# Altium PCB PCB1.PcbDoc
Units mil, origin at the board's own origin, x right, y up, seen from the top; angles counter-clockwise.
Board outline 3149.61 x 3937.01 mil, 2 copper layers (Top Layer, Bottom Layer); 80 components, 52 nets, 339 pads, 13 vias.
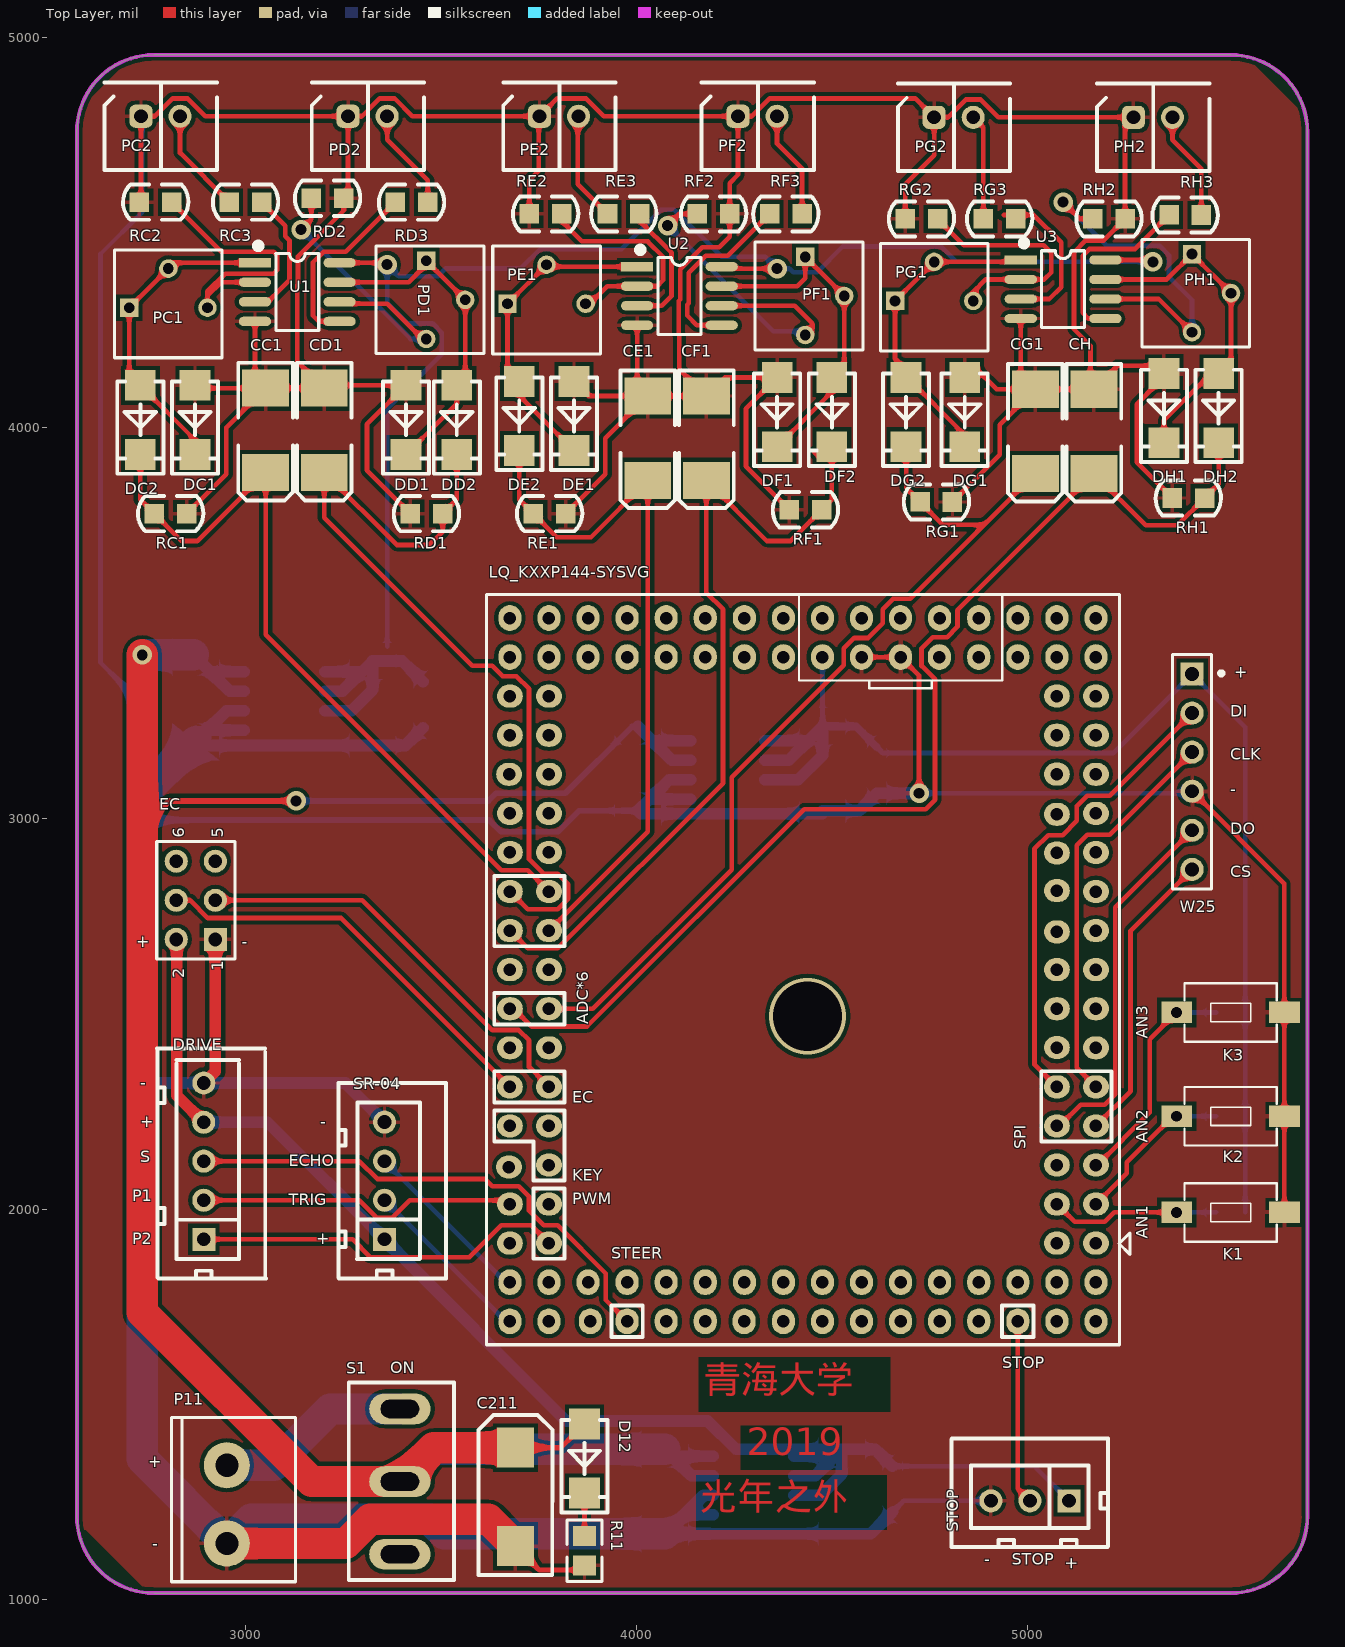
[diagram p0: Top Layer view]
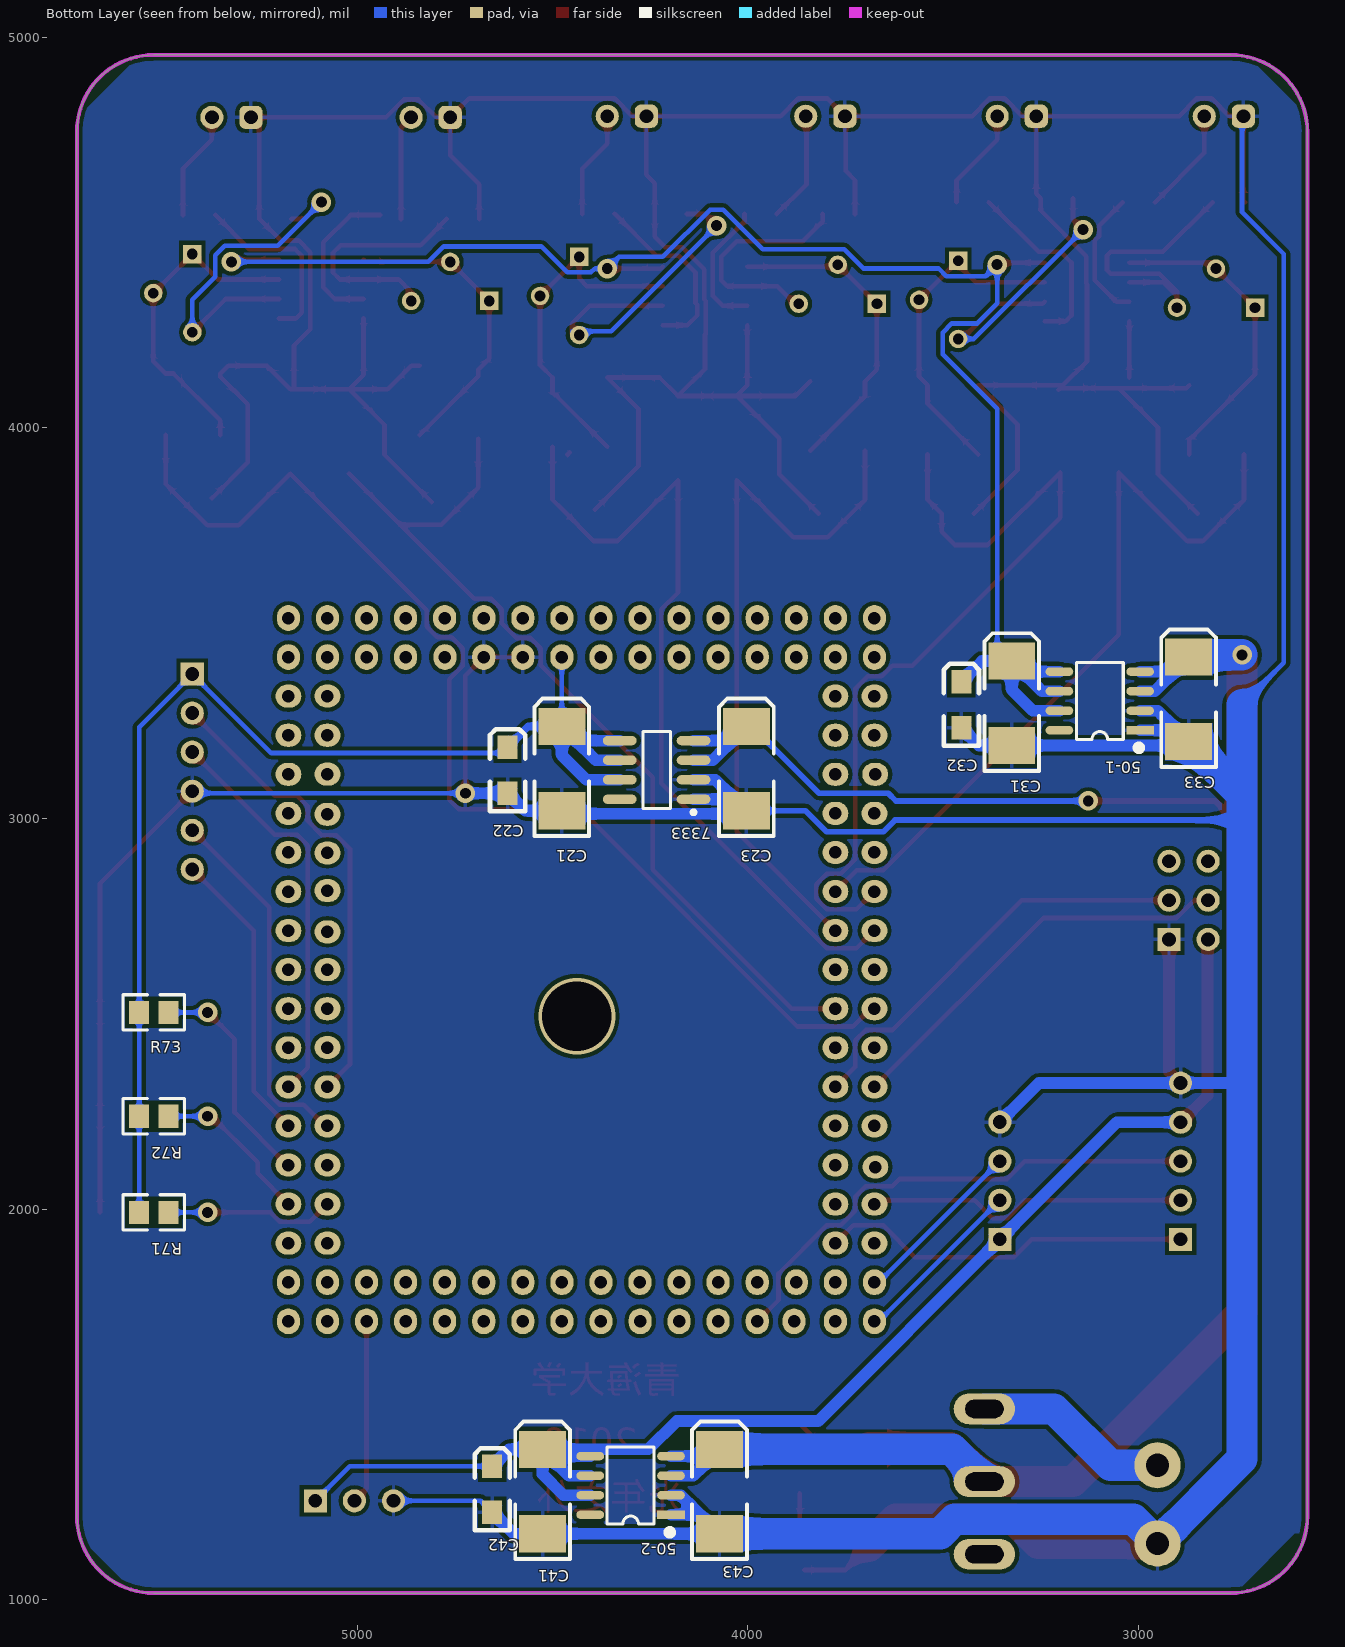
[diagram p1: Bottom Layer view, seen from below]
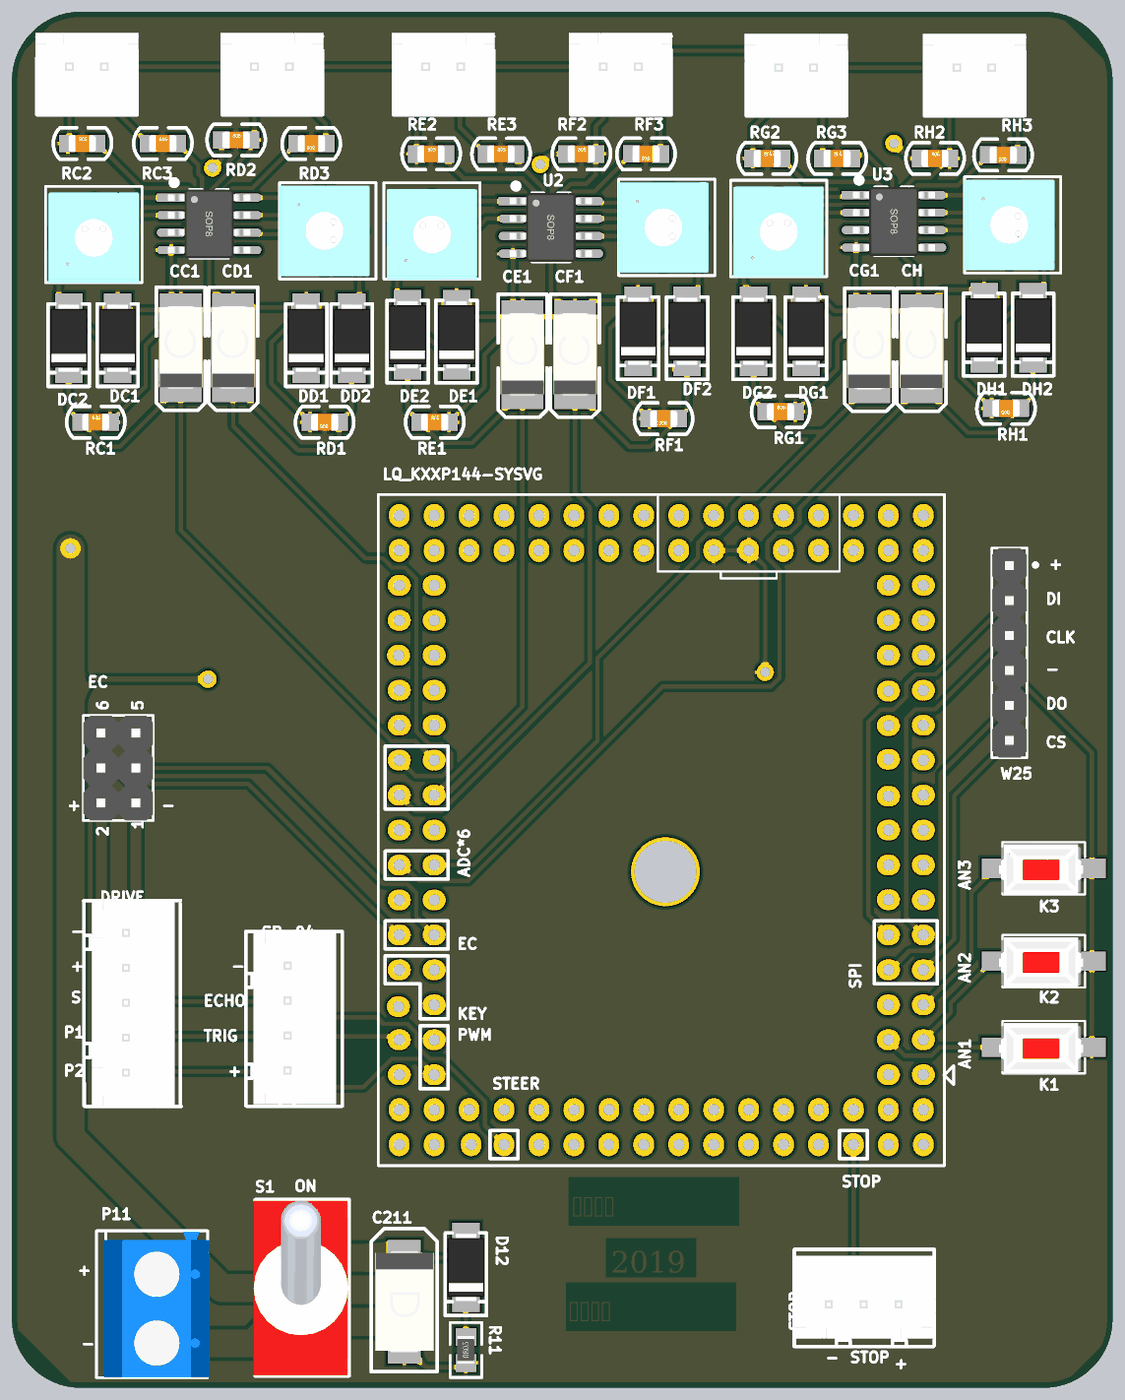
[diagram p2: 3D render of the assembled board from above, using the file's embedded part models]
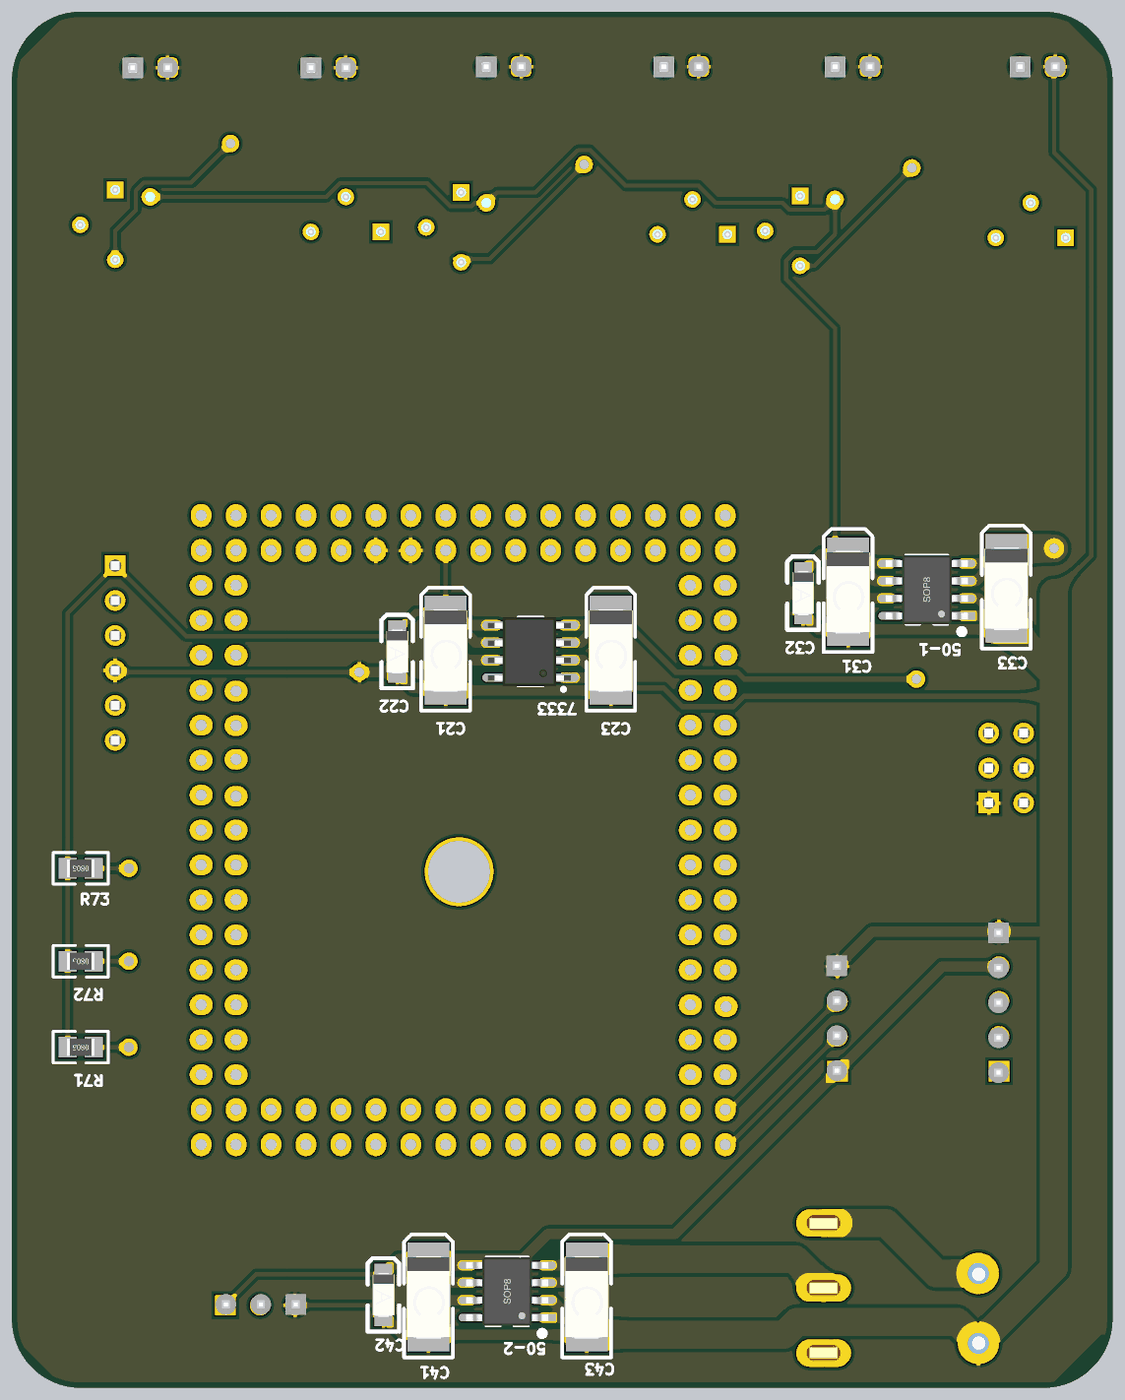
[diagram p3: 3D render of the assembled board from below, using the file's embedded part models]

## Layer stack, top to bottom
Top Solder: solder mask 0.4, Solder Resist, Dk 3.5
Top Layer: signal copper 1.4
Dielectric 1: dielectric 12.6, FR-4, Dk 4.8
Bottom Layer: signal copper 1.4
Bottom Solder: solder mask 0.4, Solder Resist, Dk 3.5

## Board outline
2567.68,1214.09 2567.68,4757.4 cw(c2764.53,4757.4) 2764.53,4954.25 5520.43,4954.25 cw(c5520.43,4757.4) 5717.28,4757.4 5717.28,1214.09 cw(c5520.43,1214.09) 5520.43,1017.24 2764.53,1017.24 cw(c2764.53,1214.09)

## Design rules (kind name [scope] priority, off if disabled: settings)
Clearance [All] p1: gap=10
HoleSize [All] p1: absolutevalues=TRUE maxlimit=350 minlimit=1 maxpercent=80.000 minpercent=20.000
MinimumSolderMaskSliver [All] p1 off: minsoldermaskwidth=10
PolygonConnect [All] p1: connectstyle=Relief reliefconductorwidth=10 reliefentries=4 polygonreliefangle="90 Angle" airgapwidth=10
RoutingVias [All] p1: holewidth=28 width=50 viastyle="Through Hole" minholewidth=28 minwidth=50 maxholewidth=28 maxwidth=50
SilkToBoardRegionClearance [All] p1 off:
SilkToSilkClearance [All] p1 off: silktosilkclearance=10
SilkToSolderMaskClearance [IsPad] p1 off: minsilkscreentomaskgap=10 clearancetoexposedcopper=TRUE
SolderMaskExpansion [All] p1: expansion=4
Width [All] p1: maxlimit=100 minlimit=8 preferedwidth=12
25 further rules are at their usual default settings.

## Components (designator, comment, footprint, x,y, rotation, side; value= is the part's Value field where it differs from the comment)
50-1 "7350" SOP8_N 3099.17,3300.71 r0 bottom locked
50-2 "7350" SOP8_N 4299.96,1292.83 r0 bottom locked
7333 "7333" SO8_N 4233.43,3124.06 r0 bottom locked
AN1 "Button" SMT4*6*2.5 5520.43,1991.65 r180 top locked
AN2 "Button" SMT4*6*2.5 5520.43,2237.72 r180 top locked
AN3 "Button" SMT4*6*2.5 5520.43,2503.46 r180 top locked
C21 "Cap Pol3" C6032 4477.13,3123.54 r270 bottom locked
C22 "Cap Pol3" C3216 4614.92,3123.54 r270 bottom locked
C23 "Cap Pol3" C6032 4004.69,3123.54 r270 bottom locked
C31 "Cap Pol3" C6032 3325.55,3290.87 r270 bottom locked
C32 "Cap Pol3" C3216 3453.5,3290.87 r270 bottom locked
C33 "Cap Pol3" C6032 2872.8,3300.71 r270 bottom locked
C41 "Cap Pol3" C6032 4526.34,1273.15 r270 bottom locked
C42 "Cap Pol3" C3216 4654.29,1282.99 r270 bottom locked
C43 "Cap Pol3" C6032 4073.58,1273.15 r270 bottom locked
C211 "Cap Pol3" C7343 3689.72,1263.31 r270 top locked
CC1 "Cap Pol3" C6032 3051.77,3997.24 r90 top
CD1 "Cap Pol3" C6032 3201.77,3997.24 r90 top
CE1 "Cap Pol3" C6032 4029.77,3977.24 r90 top
CF1 "Cap Pol3" C6032 4179.77,3977.24 r90 top
CG1 "Cap Pol3" C6032 5021.77,3994.45 r90 top
CH "Cap Pol3" C6032 5171.77,3994.45 r90 top
D12 "LED1" SMA 3866.89,1361.73 r270 top locked
DC1 "4148" SMA 2870,4020 r270 top
DC2 "4148" SMA 2730,4020 r270 top
DD1 "4148" SMA 3410,4020 r270 top
DD2 "4148" SMA 3540,4020 r270 top
DE1 "4148" SMA 3840,4030 r270 top
DE2 "4148" SMA 3700,4030 r270 top
DF1 "4148" SMA 4360,4040 r270 top
DF2 "4148" SMA 4500,4040 r270 top
DG1 "4148" SMA 4840,4040 r270 top
DG2 "4148" SMA 4690,4040 r270 top
DH1 "4148" SMA 5350,4050 r270 top
DH2 "4148" SMA 5490,4050 r270 top
DRIVE "Header 5" HX2.54-5 2892.48,1922.76 r90 top locked
EC "Header 3X2" HDR2X3 2922.01,2690.47 r90 top locked
LQ_KXXP144-SYSVG "LQ_KXXP144-SYSVG" LQ_KXXP144-SYSVG 5175.94,1912.91 r90 top locked
P11 "Header 2" 2PIN-5.08B 2951.54,1144.41 r90 top locked
PC1 "RPot" VR_B1 2801.77,4297.24 r0 top
PC2 "Header 2" HX2.54-2 2731.77,4797.24 r0 top
PD1 "RPot" VR_B1 3451.77,4327.24 r270 top
PD2 "Header 2" HX2.54-2 3261.77,4797.24 r0 top
PE1 "RPot" VR_B1 3769.77,4307.24 r0 top
PE2 "Header 2" HX2.54-2 3751.77,4797.24 r0 top
PF1 "RPot" VR_B1 4421.77,4337.24 r270 top
PF2 "Header 2" HX2.54-2 4259.77,4797.24 r0 top
PG1 "RPot" VR_B1 4761.77,4314.45 r0 top
PG2 "Header 2" HX2.54-2 4761.77,4794.45 r0 top
PH1 "RPot" VR_B1 5411.77,4344.45 r270 top
PH2 "Header 2" HX2.54-2 5271.77,4794.45 r0 top
R11 "Res3" R0805 3866.89,1125.51 r90 top locked
R71 "Res3" R0805 5520.43,1991.65 r0 bottom locked
R72 "Res3" R0805 5520.43,2237.72 r0 bottom locked
R73 "Res3" R0805 5520.43,2503.46 r0 bottom locked
RC1 "Res Semi" C0805 2760,3780 r0 top
RC2 "Res Semi" C0805 2721.77,4577.24 r0 top
RC3 "Res Semi" C0805 2951.77,4577.24 r0 top
RD1 "Res Semi" C0805 3510,3780 r180 top
RD2 "Res Semi" C0805 3161.77,4587.24 r0 top
RD3 "Res Semi" C0805 3471.77,4577.24 r180 top
RE1 "Res Semi" C0805 3730,3780 r0 top
RE2 "Res Semi" C0805 3719.77,4547.24 r0 top
RE3 "Res Semi" C0805 3919.77,4547.24 r0 top
RF1 "Res Semi" C0805 4480,3790 r180 top
RF2 "Res Semi" C0805 4149.77,4547.24 r0 top
RF3 "Res Semi" C0805 4429.77,4547.24 r180 top
RG1 "Res Semi" C0805 4720,3810 r0 top
RG2 "Res Semi" C0805 4681.77,4534.45 r0 top
RG3 "Res Semi" C0805 4881.77,4534.45 r0 top
RH1 "Res Semi" C0805 5460,3820 r180 top
RH2 "Res Semi" C0805 5161.77,4534.45 r0 top
RH3 "Res Semi" C0805 5451.77,4544.45 r180 top
S1 "SW-SPST" SW-TO3 3394.45,1302.68 r180 top locked
SR-04 "Header 4" HX2.54-4 3355.08,1922.76 r90 top locked
STOP "Header 3" HX2.54-3 5107.05,1253.46 r180 top locked
U1 "LM358" SOP8_M 3131.77,4347.24 r0 top
U2 "LM358" SOP8_M 4109.77,4337.24 r0 top
U3 "LM358" SOP8_M 5091.77,4354.45 r0 top
W25 "MHDR1X6" HDR1X6 5422.01,3369.61 r270 top locked

## Footprints (in the part's own frame and the unit in brackets; to place one, negate y for a bottom-side part, rotate by r counter-clockwise, add the part's x,y. Pads: shape width x height; smd on the part's side, far side on the other; paste and mask are expansions set on the pad)
2PIN-5.08B [mm] "3A"
  round 3 hole 1.5: 1(0,0) 2(5.08,0)
  silkscreen extent -2.49,-4.47 8.18,3.61, body extent -2.48,-4.58 8.12,3.02, height 10
C0805 [mil]
  rect 50x50 smd: 1(6,0) 2(88.7,-0.1)
  silkscreen extent -36,-45 131,45, body extent 8,-24 87,25, height 30
C3216 [mil] "A型/1206"
  rect 60x51.18 smd: 1(-59,0) 2(59,0)
  silkscreen extent -105,-45 105,45, body extent -63,-31 63,32, height 63
C6032 [mil] "C型"
  rect 95x120 smd: 1(-112,1) 2(104,1)
  silkscreen extent -183,-69 169,71, body extent -121,-62 115,64, height 102
C7343 [mm] "D型"
  rect 2.6x2.4 smd: 1(-3.202,0.007) 2(3.198,0.007)
  silkscreen extent -5.32,-2.39 5.08,2.41, body extent -3.65,-2.12 3.65,2.18, height 2.9
HDR1X6 [mm] "Connector; Header; 6 Position"
  rect 1.5x1.5 hole 0.9: 1(0,0)
  round 1.5 hole 0.9: 2(2.54,0) 3(5.08,0) 4(7.62,0) 5(10.16,0) 6(12.7,0)
  silkscreen extent -1.27,-1.27 13.97,2.04, body extent -1.27,-1.27 13.97,1.27, height 8.54
HDR2X3 [mm] "Connector; Header; 3x2 Position"
  rect 1.5x1.5 hole 0.9: 1(0,0)
  round 1.5 hole 0.9: 2(0,2.54) 3(2.54,0) 4(2.54,2.54) 5(5.08,0) 6(5.08,2.54)
  silkscreen extent -1.27,-1.27 6.35,3.81, body extent -1.27,-1.27 6.35,3.81, height 8.54
HX2.54-2 [mm] "两针白色插座（已加焊）"
  rrect50% 1.5x1.5 hole 0.9: 1(0,0)
  round 1.5 hole 0.9: 2(2.54,0)
  silkscreen extent -2.36,-3.5 4.94,2.2, body extent -2.48,-3.55 5.02,2.45, height 7
HX2.54-3 [mm]
  rect 1.5x1.5 hole 0.9: 1(0,0)
  round 1.5 hole 0.9: 2(2.54,0) 3(5.08,0)
  silkscreen extent -2.54,-4.06 7.63,3, body extent -2.41,-3.58 7.59,2.42, height 7
HX2.54-4 [mm]
  rect 1.5x1.5 hole 0.9: 1(0,0)
  round 1.5 hole 0.9: 2(2.54,0) 3(5.08,0) 4(7.62,0)
  silkscreen extent -2.54,-4 10.16,3, body extent -2.4,-3.56 10.12,2.44, height 7
HX2.54-5 [mm]
  rect 1.5x1.5 hole 0.9: 1(0,0)
  round 1.5 hole 0.9: 2(2.54,0) 3(5.08,0) 4(7.607,0.006) 5(10.16,0)
  silkscreen extent -2.55,-4.06 12.42,3.05, body extent -2.56,-3.56 12.52,2.44, height 7.51
LQ_KXXP144-SYSVG [mil]
  oval 59x66 hole 32: 1(0,0) 2(0,100) 3(100,0) 4(100,100) 5(200,0) 6(200,100) 7(300,0) 8(300,100) 9(400,0) 10(400,100) 11(500,0) 12(500.79,100) 13(600,0) 14(600,100) 15(700,0) 16(700,100) 17(800,0) 18(796.85,100) 19(900,0) 20(902.36,100) 21(1000,0) 22(998.82,100) 23(1100,0) 24(1097.64,100) 25(1200,0) 26(1200.39,100) 27(1300,0) 28(1300,100) 29(1400,0) 30(1400.39,100) 63(1400,1500) 64(1400,1400) 65(1300,1500) 66(1300,1400) 67(1200,1501.97) 68(1200,1400) 69(1100,1500) 70(1100,1400) 71(1000,1500) 72(1000,1400) 73(900,1500) 74(900,1400) 75(800,1500) 76(800,1400) 77(700,1500) 78(700,1400) 79(600,1500) 80(600,1400) 81(500,1500) 82(500,1400) 83(400,1500) 84(400,1400) 85(300,1500) 86(300,1400) 87(194.88,1502.36) 88(200,1400) 89(100,1500) 90(100,1400) 91(0,1500) 92(0,1400)
  oval 66x59 hole 32: 31(1500,0) 32(1600,0) 33(1500,100) 34(1600,100) 35(1500,200) 36(1600,200) 37(1500,300) 38(1600,300) 39(1500,400.79) 40(1600,400) 41(1500,500) 42(1600,500.39) 43(1500,600) 44(1600,600) 45(1500,700) 46(1600,700) 47(1500,800) 48(1600,800) 49(1500,900) 50(1600,900) 51(1500,1000) 52(1600,1000) 53(1500,1100) 54(1600,1100) 55(1500,1200) 56(1600,1200) 57(1500,1300) 58(1600,1300) 59(1500,1400) 60(1600,1400) 61(1500,1500) 62(1600,1500) 93(-100,1500) 94(-200,1500) 95(-100,1400) 96(-200,1400) 97(-100,1300) 98(-200,1294.09) 99(-100,1200) 100(-200,1200) 101(-100,1100) 102(-200,1100) 103(-100,1000) 104(-200,1000) 105(-100,899.61) 106(-200,900.39) 107(-100,800) 108(-200,800) 109(-100,700) 110(-200,700) 111(-100,600) 112(-200,600) 113(-100,500) 114(-200,500) 115(-100,400) 116(-200,400) 117(-100,300) 118(-200,300) 119(-100,200) 120(-200,200) 121(-100,100) 122(-200,100) 123(-100,0) 124(-200,0)
  silkscreen extent -260,-87 1660,1560
R0805 [mm]
  rect 1.3x1.5 smd: 1(-0.95,0) 2(0.95,0)
  silkscreen extent -2,-1.15 2,1.15, body extent -1,-0.63 1,0.63, height 0.55
SMA [mm]
  rect 2x2 smd: 1(-2.25,0) 2(2.25,0)
  silkscreen extent -2.5,-1.5 3.5,1.5, body extent -2.5,-1.35 2.5,1.35, height 2.15
SMT4*6*2.5 [mm]
  rect 2x1.4 smd: 1(-3.5,0) 2(3.5,0)
  silkscreen extent -3,-1.9 3,1.9, body extent -2.85,-1.75 3.25,1.95, height 2.5
SO8_N [mm] "SOIC, 8-Leads, Body 4.9x3.9mm, Pitch 1.27mm, IPC Medium Density"
  oval 2.2x0.6 smd: 1(-2.4,1.905) 2(-2.4,0.635) 3(-2.4,-0.635) 4(-2.4,-1.905) 5(2.4,-1.905) 6(2.4,-0.635) 7(2.4,0.635) 8(2.4,1.905)
  silkscreen extent -2.52,-2.5 0.9,2.88, body extent -2.94,-2.48 3.1,2.54, height 1.6
SOP8_M [mm] "5*6*1.8mm（长宽高）"
  rect 2.1x0.6 smd: 1(-2.75,1.905)
  oval 2.1x0.6 smd: 2(-2.75,0.635) 3(-2.75,-0.635) 4(-2.75,-1.905) 5(2.75,-1.905) 6(2.75,-0.635) 7(2.75,0.635) 8(2.75,1.905)
  silkscreen extent -2.69,-2.5 1.4,3.15, body extent -3,-2.5 3,2.5, height 1.9
SOP8_N [mm] "5*6*1.8mm（长宽高）"
  rect 1.8x0.55 smd: 1(-2.625,1.905)
  oval 1.8x0.55 smd: 2(-2.625,0.635) 3(-2.625,-0.635) 4(-2.625,-1.905) 5(2.625,-1.905) 6(2.625,-0.635) 7(2.625,0.635) 8(2.625,1.905)
  silkscreen extent -2.69,-2.5 1.52,3.2, body extent -3,-2.5 3,2.5, height 1.9
SW-TO3 [mm]
  oval 4x2 hole 1.2 slot 2.5 at 0 deg: 1(0,-4.724) 2(0,0) 3(0,4.724)
  silkscreen extent -3.5,-6.43 3.33,6.39, body extent -3.43,-6.36 3.43,6.35, height 28.55
VR_B1 [mm] "Potentiometer; 3 Leads"
  rect 1.2x1.2 hole 0.7: 1(-2.54,0.254)
  round 1.2 hole 0.7: 2(0,2.794) 3(2.54,0.254)
  silkscreen extent -3.5,-3 3.5,4, body extent -3.3,-3.05 3.3,3.55, height 4.4

## Part data
C21 C22 C23 C31 C32 C33 C41 C42 C43 C211 CC1 CD1 CE1 CF1 CG1 CH: "Polarized Capacitor (Surface Mount)"
D12: library part LED3, "Typical BLUE SiC LED"
DC1 DC2 DD1 DD2 DE1 DE2 DF1 DF2 DG1 DG2 DH1 DH2: library part Diode, "Default Diode"
DRIVE: "Header, 5-Pin"
EC: "Header, 3-Pin, Dual row"
P11 PC2 PD2 PE2 PF2 PG2 PH2: "Header, 2-Pin"
PC1 PD1 PE1 PF1 PG1 PH1: "精密可调电阻"
R11 R71 R72 R73: "Resistor"
RC1 RC2 RC3 RD1 RD2 RD3 RE1 RE2 RE3 RF1 RF2 RF3 RG1 RG2 RG3 RH1 RH2 RH3: "Semiconductor Resistor"
S1: "Single-Pole, Single-Throw Switch"
SR-04: "Header, 4-Pin"
STOP: "Header, 3-Pin"
W25: "Header, 6-Pin"

## Via types
v1: diameter 50, hole 28, Top Layer to Bottom Layer, 12 vias
v2: diameter 196.85, hole 177.17, Top Layer to Bottom Layer, 1 vias

## Nets (pads, with @x,y where several pads share a name; then routed paths per layer and width w, separated by ;. In a path a pad name is that pad's centre, name@x,y a point inside that pad or via, vN(x,y) a via of type N, cw(c..) or ccw(c..) an arc to the next point about the centre after c; other vN are vias at no path point)
5V: 50-2.5 50-2.6 50-2.7 C41.1 C42.1 DRIVE.4 EC.2 SR-04.1 STOP.1 | length 3576
  Top Layer w30: EC.2 2823.58,2688.9 2823.58,2290.92 DRIVE.4
  Bottom Layer w12: C42.1 5018.52,1341.99 STOP.1
  Bottom Layer w30: DRIVE.4 3055.58,2222.26 SR-04.1 3820.19,1457.65 4182.07,1457.65 4254.57,1385.15 C41.1 ; 50-2.7 4471.81,1267.83 4525.34,1321.36 C41.1 ; 50-2.6 4458.02,1317.83 C41.1@4508.02,1367.83 ; 50-2.5 C41.1@4508.02,1367.83 ; C42.1 4611.13,1385.15 C41.1 ; C41.1@4508.02,1367.83 C41.1
ADC1_SE10: CC1.1 DC2.2 LQ_KXXP144-SYSVG.74 RC1.1 | length 1965.1
  Top Layer w12: DC2.2 2730,3816 RC1.1 2836,3710 2875.53,3710 CC1.1 3050.77,3470.24 3653.6,2867.41 3721.45,2867.41 LQ_KXXP144-SYSVG.74
ADC1_SE11: CD1.1 DD2.2 LQ_KXXP144-SYSVG.73 RD1.1 | length 2206.7
  Top Layer w12: DD2.2 3540,3816 RD1.1 3504,3734 3470,3700 3386.02,3700 CD1.1 3200.77,3769.23 3579.43,3390.57 3630.45,3390.57 3657.1,3363.91 3692.79,3363.91 3724.95,3331.76 3724.95,2896.07 3762.6,2858.41 3798.29,2858.41 3824.95,2831.76 3824.95,2794.07 3798.29,2767.41 3721.94,2767.41 3676.44,2812.91 LQ_KXXP144-SYSVG.73
ADC1_SE12: CE1.1 DE2.2 LQ_KXXP144-SYSVG.76 RE1.1 | length 1811.2
  Top Layer w12: DE2.2 3700,3816 RE1.1 3796,3720 3883.53,3720 CE1.1 4028.77,2965.74 LQ_KXXP144-SYSVG.76
ADC1_SE13: CF1.1 DF2.2 LQ_KXXP144-SYSVG.75 RF1.1 | length 2105.3
  Top Layer w12: LQ_KXXP144-SYSVG.75 3676.44,2712.91 3721.94,2667.41 3798.29,2667.41 4221.45,3090.57 4221.45,3535.26 4178.77,3577.93 CF1.1 4334.02,3710 4394,3710 RF1.1 4500,3816 DF2.2 ; 4455.77,3937.24 DF2.2@4461.77,3931.24
ADC1_SE14: CG1.1 DG2.2 LQ_KXXP144-SYSVG.80 RG1.1 | length 2361.4
  Top Layer w12: LQ_KXXP144-SYSVG.80 3887.44,2512.91 4243.45,2868.92 4243.45,3105.12 4530.45,3392.12 4530.45,3435.26 4557.1,3461.91 4592.79,3461.91 4630.05,3499.17 4630.05,3535.26 4656.7,3561.91 4700.24,3561.91 4890,3751.68 ; DG2.2@4690,3971.42 4690,3846 RG1.1 4784.32,3751.68 4890,3751.68 ; CG1.1 4890,3751.68
ADC1_SE15: CH.1 DH2.2 LQ_KXXP144-SYSVG.79 RH1.1 | length 2944.3
  Top Layer w12: LQ_KXXP144-SYSVG.79 3686.1,2512.91 3731.77,2467.24 3731.94,2467.41 3873.05,2467.41 4429.13,3023.49 4740.17,3023.49 4764.19,3047.51 4764.19,3355.78 4729.66,3390.31 4729.66,3435.26 4758.31,3463.91 4794.79,3463.91 4821.45,3490.57 4821.45,3533.12 CH.1 5303.22,3750 5384,3750 RH1.1 5490,3856 DH2.2@5490,3981.42
CLK: LQ_KXXP144-SYSVG.9 W25.3 | length 1032.9
  Top Layer w12: LQ_KXXP144-SYSVG.9 5126.73,2362.13 5126.73,2931.55 5153.6,2958.41 5210.82,2958.41 W25.3
CS: LQ_KXXP144-SYSVG.7 W25.6 | length 758.6
  Top Layer w12: LQ_KXXP144-SYSVG.7 5264.53,2301.5 5264.53,2712.13 W25.6
DI: LQ_KXXP144-SYSVG.10 W25.2 | length 1202.8
  Top Layer w12: LQ_KXXP144-SYSVG.10 5018.46,2370.39 5018.46,2922.1 5053.6,2957.23 5090.47,2957.23 5126.95,2993.7 5126.95,3031.76 5153.6,3058.41 5210.82,3058.41 W25.2
DO: LQ_KXXP144-SYSVG.8 W25.5 | length 939.8
  Top Layer w12: LQ_KXXP144-SYSVG.8 5082.24,2212.91 5136.74,2267.41 5198.29,2267.41 5224.95,2294.07 5224.95,2772.54 W25.5
ECA: EC.3 LQ_KXXP144-SYSVG.84 | length 1091.5
  Top Layer w12: EC.3 3298.39,2790.47 3630.45,2458.41 3698.29,2458.41 3724.95,2431.76 3724.95,2363.91 LQ_KXXP144-SYSVG.84
ECB: EC.4 LQ_KXXP144-SYSVG.83 | length 1051.7
  Top Layer w12: EC.4 2857.62,2790.47 2903.15,2744.94 3243.91,2744.94 LQ_KXXP144-SYSVG.83
ECHO: LQ_KXXP144-SYSVG.93 SR-04.3 | length 449.2
  Bottom Layer w12: SR-04.3 3664.92,1812.91 LQ_KXXP144-SYSVG.93
GND: 50-1.1 50-1.2 50-2.1 50-2.2 7333.1 7333.2 AN1.1 AN2.1 AN3.1 C21.2 C22.2 C23.2 C31.2 C32.2 C33.2 C41.2 C42.2 C43.2 C211.2 CC1.2 CD1.2 CE1.2 CF1.2 CG1.2 CH.2 DC1.1 DD1.1 DE1.1 DF1.1 DG1.1 DH1.1 DRIVE.5 EC.1 LQ_KXXP144-SYSVG.41 LQ_KXXP144-SYSVG.43 P11.1 PC2.1 PD2.1 PE2.1 PF2.1 PG2.1 PH2.1 R11.1 RC1.2 RC2.1 RD1.2 RD2.2 RE1.2 RE2.1 RF1.2 RF2.2 RG1.2 RG2.1 RH1.2 RH2.2 SR-04.4 STOP.3 U1.4 U2.4 U3.4 W25.4 | length 24372.6
  Top Layer w12: RC2.1 2731.77,4581.24 PC2.1 2767.39,4797.24 2812.91,4842.77 2850.63,4842.77 2896.16,4797.24 PD2.1 ; RC1.2 2950,3881.2 2950,4000.47 CC1.2 ; DC1.1 2877.34,4101.24 CC1.2 ; CC1.2@3023.5,4128.51 U1.4 ; CD1.2@3204.77,4097.24 CD1.2 ; RD1.2 3310,3891.4 3310,4008.58 DD1.1 3198.58,4108.58 CD1.2@3196.01,4106.01 ; C211.2 3751.1,1076.3 R11.1@3855.08,1076.3 ; RE2.1 3725.77,4633.24 3749.77,4657.24 PE2.1@3749.77,4797.24 ; PE2.1@3739.77,4817.24 PE2.1@3749.77,4807.24 ; RE1.2 3920,3881.2 3920,3972.47 CE1.2 ; DE1.1 3877.34,4081.24 CE1.2 ; U2.4 4001.5,4108.51 CE1.2 ; RF1.2 4280,3901.4 4280,4048.58 DF1.1 4226.11,4128.58 CF1.2 ; LQ_KXXP144-SYSVG.43 LQ_KXXP144-SYSVG.41 4723.19,3365.67 v1(4723.19,3064.49) ; RG2.1 4687.77,4623.24 4761.77,4697.24 PG2.1 ; RG1.2 4930,3931.2 4930,4007.68 CG1.2 ; DG1.1@4840,4158.58 4861.42,4158.58 4921.55,4098.45 CG1.2 ; U3.4 4983.5,4135.72 CG1.2 ; RH1.2 5280,3911.4 5280,4060 5350,4130 DH1.1 5330,4158.58 5230.9,4158.58 CH.2 CH.2@5161.77,4098.45 ; W25.4 5658.23,2833.39 AN3.1 AN2.1 AN1.1 ; CC1.2 CD1.2 ; CD1.2@3196.01,4106.01 3131.77,4170.24 3131.77,4366.13 3133.77,4368.13 3133.77,4439.24 3250.47,4555.94 RD2.2 3261.77,4598.44 PD2.1 ; CD1.2@3196.01,4106.01 CD1.2 ; PD2.1 3297.39,4797.24 3342.91,4842.77 3380.63,4842.77 3426.16,4797.24 PE2.1@3749.77,4797.24 ; PE2.1@3749.77,4797.24 PE2.1 3797.3,4842.77 3870.63,4842.77 3916.16,4797.24 PF2.1 ; CE1.2 CF1.2 ; CF1.2 4109.77,4150.24 4109.77,4237.45 4107.77,4239.45 4107.77,4324.13 4111.77,4328.13 4111.77,4405.95 4167.88,4462.05 4211.87,4462.05 4238.47,4488.66 RF2.2 4238.47,4625.94 4259.77,4647.24 PF2.1 ; PF2.1 4295.39,4797.24 4340.91,4842.77 4713.45,4842.77 PG2.1 ; PG2.1 4797.39,4794.45 4842.91,4839.98 4880.63,4839.98 4926.16,4794.45 PH2.1 5250.47,4773.15 RH2.2 5195.38,4479.26 5149.88,4479.26 5119.77,4449.15 5119.77,4251.64 5161.77,4209.64 CH.2@5161.77,4098.45 ; CG1.2 CH.2@5161.77,4098.45
  Top Layer w30: DRIVE.5 2922.01,2352.28 EC.1
  Top Layer w80: P11.1 3256.42,1144.41 3318.06,1206.05 3621.35,1206.05 C211.2
  Bottom Layer w12: PC2.1 2735,4794.02 2735,4551.44 2628.15,4444.59 2628.15,3398.39 2735,3291.54 ; C42.2 4683.76,1253.46 STOP.3 ; v1@4723.13,3064.54 v1(4723.19,3064.49) 5416.89,3064.49 W25.4
  Bottom Layer w15: 2735,2995.59 3623.3,2995.59 3652.98,2965.91 3798.91,2965.91 3852.54,3019.54 C23.2
  Bottom Layer w30: 2741.3,2322.76 DRIVE.5 3255.08,2322.76 SR-04.4 ; 50-1.1 C33.2@2900.8,3225.71 ; 50-1.2 2950.8,3275.71 C33.2@2900.8,3225.71 ; C32.2 3408.5,3186.87 C31.2 2881.64,3186.87 C33.2 C33.2@2900.8,3225.71 ; 7333.1 C23.2@4033.2,3049.06 ; 7333.2 4083.2,3099.06 C23.2@4033.2,3049.06 ; 50-2.1 4121.27,1217.83 ; 50-2.2 4171.27,1267.83 4121.27,1217.83 ; C42.2 4599.45,1169.15 C41.2 C43.2 4121.27,1217.83 ; v1@4723.13,3064.54 C22.2 4569.92,3019.54 C21.2 4476.13,3012.24 4010.98,3012.24 C23.2 C23.2@4033.2,3049.06
  Bottom Layer w80: 2735,3291.54 2735,3059.91 ; C33.2 2735,3059.91 ; C43.2 3507.74,1169.15 3470.84,1206.05 3013.17,1206.05 P11.1 2735,1360.94 2735,2995.59 2735,3059.91
KEY1: AN1.2 LQ_KXXP144-SYSVG.4 R71.1 | length 436
  Top Layer w12: LQ_KXXP144-SYSVG.4 5121.45,1967.41 5198.29,1967.41 5222.53,1991.65 v1(5382.64,1991.65)
  Bottom Layer w12: v1(5382.64,1991.65) R71.1
KEY2: AN2.2 LQ_KXXP144-SYSVG.3 R72.1 | length 416.6
  Top Layer w12: LQ_KXXP144-SYSVG.3 5254.69,2091.65 5254.69,2119.61 5372.8,2237.72 v1(5382.64,2237.72)
  Bottom Layer w12: v1(5382.64,2237.72) R72.1
KEY3: AN3.2 LQ_KXXP144-SYSVG.5 R73.1 | length 578.4
  Top Layer w12: LQ_KXXP144-SYSVG.5 5179.09,2112.91 5313.74,2247.56 5313.74,2434.57 v1(5382.64,2503.46)
  Bottom Layer w12: v1(5382.64,2503.46) R73.1
NetD12_2: D12.2 R11.2 | length 110.2
  Top Layer w12: R11.2 D12.2
NetDC1_2: DC1.2 DC2.1 PC1.1 PC1.2 U1.1 | length 814.9
  Top Layer w12: DC1.2 2870,3968.58 DC2.1 2701.77,4136.81 PC1.1 PC1.2 2816.77,4422.24 U1.1
NetDD1_2: DD1.2 DD2.1 PD1.1 PD1.2 U1.7 | length 850.5
  Top Layer w12: U1.7 3416.77,4372.24 3461.77,4417.24 PD1.1 PD1.2 3561.77,4130.35 DD2.1 3540,4061.42 DD1.2
NetDE1_2: DE1.2 DE2.1 PE1.1 PE1.2 U2.1 | length 821.6
  Top Layer w12: DE1.2 3700,4081.42 DE2.1 3669.77,4148.81 PE1.1 PE1.2 3774.77,4412.24 U2.1
NetDF1_2: DF1.2 DF2.1 PF1.1 PF1.2 U2.7 | length 875.4
  Top Layer w12: U2.7 4411.77,4362.24 4431.77,4382.24 PF1.1 PF1.2 4531.77,4160.35 DF2.1 4500,4091.42 DF1.2
NetDG1_2: DG1.2 DG2.1 PG1.1 PG1.2 U3.1 | length 782.1
  Top Layer w12: DG1.2@4840,3981.42 4690,4131.42 4690,4148.58 4661.77,4176.81 PG1.1 PG1.2 4978.5,4424.45 U3.1
NetDH1_2: DH1.2 DH2.1 PH1.1 PH1.2 U3.7 | length 836
  Top Layer w12: U3.7 5356.77,4379.45 PH1.1 PH1.2 5521.77,4170.35 DH2.1 5470,4138.58 5350,4018.58 DH1.2@5350,3981.42
NetP11_2: P11.2 S1.1 | length 502.7
  Bottom Layer w80: P11.2 3072.01,1344.41 3216.28,1488.68 S1.1
NetPC1_3: PC1.3 RC2.2 U1.2 | length 743.6
  Top Layer w12: RC2.2 2937.56,4450.06 3071.47,4450.06 3080.84,4440.68 3080.84,4403.81 3071.47,4394.43 2947.07,4394.43 2901.77,4349.14 2901.77,4337.24 ; PC1.3 2901.77,4337.24 ; U1.2 2936.77,4372.24 2901.77,4337.24
NetPC2_2: PC2.2 RC3.1 | length 272.2
  Top Layer w12: PC2.2 2831.77,4703.24 RC3.1
NetPD1_3: PD1.3 RD2.1 U1.6 | length 787.8
  Top Layer w12: v1(3141.77,4507.24) 3167.77,4533.24 RD2.1 ; U1.6 3245.04,4317.24 3361.77,4317.24 3451.77,4227.24 PD1.3
  Bottom Layer w12: v1(3141.77,4507.24) 3421.77,4227.24 PD1.3
NetPD2_2: PD2.2 RD3.1 | length 263.1
  Top Layer w12: PD2.2 3361.77,4737.24 3465.77,4633.24 RD3.1
NetPE1_3: PE1.3 RE2.2 U2.2 | length 600.4
  Top Layer w12: RE2.2@3809.39,4546.22 RE2.2 3808.47,4528.54 3859.77,4477.24 4028.66,4477.24 4029.22,4476.69 4029.22,4475.8 4067.77,4437.24 4067.77,4377.24 4052.77,4362.24 U2.2 3924.77,4362.24 3879.77,4317.24 PE1.3
NetPE2_2: PE2.2 RE3.1 | length 281.5
  Top Layer w12: PE2.2@3849.77,4797.24 3849.77,4623.24 RE3.1
NetPF1_3: PF1.3 RF2.1 U2.6 | length 840.6
  Top Layer w12: v1(4079.77,4517.24) 4109.77,4547.24 RF2.1 ; U2.6 4404.77,4312.24 4449.77,4267.24 PF1.3@4449.77,4247.24
  Bottom Layer w12: v1(4079.77,4517.24) 4349.77,4247.24 PF1.3@4449.77,4247.24
NetPF2_2: PF2.2 RF3.1 | length 276.5
  Top Layer w12: PF2.2 4359.77,4727.24 4423.77,4663.24 RF3.1
NetPG1_3: PG1.3 RG2.2 U3.2 | length 620.9
  Top Layer w12: RG2.2 4837.58,4467.24 5041.77,4467.24 5061.77,4447.24 5061.77,4397.24 5043.98,4379.45 U3.2 4893.98,4379.45 4861.77,4347.24 PG1.3
NetPG2_2: PG2.2 RG3.1 | length 270.8
  Top Layer w12: PG2.2 4887.77,4768.45 RG3.1
NetPH1_3: PH1.3 RH2.1 U3.6 | length 899.3
  Top Layer w12: v1(5091.77,4577.24) 5134.57,4534.45 RH2.1 ; U3.6 5336.77,4329.45 PH1.3
  Bottom Layer w12: v1(5091.77,4577.24) 5203.57,4465.45 5338.75,4465.45 5362.77,4441.43 5362.77,4386.24 5421.77,4327.24 PH1.3
NetPH2_2: PH2.2 RH3.1 | length 280.7
  Top Layer w12: PH2.2 5371.77,4737.24 5445.77,4663.24 RH3.1
NetRC3_2: RC3.2 U1.3 | length 340.5
  Top Layer w12: U1.3 3056.77,4322.24 3111.77,4377.24 3111.77,4479.26 3100.77,4490.26 3100.77,4516.84 RC3.2
NetRD3_2: RD3.2 U1.5 | length 485.4
  Top Layer w12: U1.5 3186.77,4272.24 3171.77,4287.24 3171.77,4422.83 3198.99,4450.06 3255.78,4450.06 RD3.2
NetRE3_2: RE3.2 U2.3 | length 342.2
  Top Layer w12: U2.3 4064.77,4312.24 4089.77,4337.24 4089.77,4447.24 4008.47,4528.54 RE3.2
NetRF3_2: RF3.2 U2.5 | length 479.5
  Top Layer w12: U2.5 4154.77,4262.24 4129.77,4287.24 4129.77,4315.02 4133.77,4319.02 4133.77,4396.83 4176.99,4440.05 4233.78,4440.05 RF3.2
NetRG3_2: RG3.2 U3.3 | length 405.9
  Top Layer w12: 4940.47,4544.35 5016.87,4544.35 5086.77,4474.45 5086.77,4359.45 5056.77,4329.45 U3.3
NetRH3_2: RH3.2 U3.5 | length 474.7
  Top Layer w12: U3.5 5156.77,4279.45 5141.77,4294.45 5141.77,4440.04 5158.99,4457.26 5275.78,4457.26 RH3.2
PWM1: DRIVE.2 LQ_KXXP144-SYSVG.89 | length 825.3
  Top Layer w12: DRIVE.2 3290.69,2022.76 3336.22,1977.23 3373.94,1977.23 3419.46,2022.76 3666.1,2022.76 LQ_KXXP144-SYSVG.89
PWM2: DRIVE.1 LQ_KXXP144-SYSVG.92 | length 954.8
  Top Layer w12: DRIVE.1 3273.4,1922.76 3318.92,1877.23 3572.41,1877.23 3653.6,1958.41 3730.45,1958.41 LQ_KXXP144-SYSVG.92
STEER: DRIVE.3 LQ_KXXP144-SYSVG.100 | length 1313.9
  Top Layer w12: DRIVE.3 3290.69,2122.76 3336.22,2077.23 3611.63,2077.23 3630.45,2058.41 3698.29,2058.41 3724.95,2031.76 3724.95,1996.07 3762.6,1958.41 3798.29,1958.41 3921.45,1835.26 3921.45,1767.41 LQ_KXXP144-SYSVG.100
STOP: LQ_KXXP144-SYSVG.120 STOP.2 | length 472.3
  Top Layer w12: LQ_KXXP144-SYSVG.120 4975.95,1284.57 STOP.2
TRIG: LQ_KXXP144-SYSVG.94 SR-04.2 | length 449.2
  Bottom Layer w12: SR-04.2 3664.92,1712.91 LQ_KXXP144-SYSVG.94
VB: 50-1.3 50-1.4 50-2.3 50-2.4 7333.3 7333.4 C23.1 C33.1 C43.1 C211.1 D12.1 S1.2 | length 6058.9
  Top Layer w12: C211.1 3805.95,1389.37 D12.1
  Top Layer w15: 2735,2975.91 2803.9,3044.8 v1(3128.7,3044.8)
  Top Layer w80: v1(2735,3418.82) 2735,2975.91 2735,1735.75 3168.07,1302.68 S1.2 3481.14,1389.37 C211.1
  Bottom Layer w12: C23.1@3988.73,3235.54 C23.1
  Bottom Layer w15: v1(3128.7,3044.8) 3620.83,3044.8 3640.51,3064.49 3817.68,3064.49 C23.1@3988.73,3235.54
  Bottom Layer w20: C43.1 C43.1@4089.9,1367.83
  Bottom Layer w30: C33.1 C33.1@2908.8,3375.71 ; 50-1.3 2958.8,3325.71 C33.1@2908.8,3375.71 ; 50-1.4 C33.1@2908.8,3375.71 ; C23.1 C23.1@4040.17,3199.06 ; 7333.3 4090.17,3149.06 C23.1@4040.17,3199.06 ; 7333.4 C23.1@4040.17,3199.06 ; 50-2.3 4139.9,1317.83 4089.9,1367.83 50-2.4
  Bottom Layer w40: C33.1@2865.69,3418.82 C33.1
  Bottom Layer w80: v1(2735,3418.82) C33.1@2865.69,3418.82 ; S1.2 3476.92,1385.15 C43.1
VCC: 7333.5 7333.6 7333.7 C21.1 C22.1 LQ_KXXP144-SYSVG.45 R71.2 R72.2 R73.2 W25.1 | length 3212.9
  Bottom Layer w12: C21.1 LQ_KXXP144-SYSVG.45@4476.13,3412.73 ; C22.1 4630.05,3167.41 5219.82,3167.41 W25.1 5557.84,3233.78 R73.2 R72.2 R71.2
  Bottom Layer w20: C21.1 4561.92,3235.54 C22.1
  Bottom Layer w30: 7333.7 4413.27,3099.06 4476.13,3161.91 C21.1 C21.1@4439.64,3199.06 ; 7333.6 4389.64,3149.06 C21.1@4439.64,3199.06 ; 7333.5 C21.1@4439.64,3199.06
VDD: 50-1.5 50-1.6 50-1.7 C31.1 C32.1 U1.8 U2.8 U3.8 | length 4293.3
  Top Layer w12: U1.8 3356.77,4422.24 v1(3361.77,4417.24) ; U2.8 4223.04,4407.24 v1(4359.77,4407.24) ; U3.8 5316.77,4429.45 v1(5321.77,4424.45)
  Bottom Layer w12: C31.1@3361.77,3440.09 3361.77,4048 3501.39,4187.62 3501.39,4243.66 3478.18,4266.87 3413.26,4266.87 3361.77,4318.36 v1(3361.77,4417.24) 3391.39,4387.62 3492.02,4387.62 3512.02,4407.62 3704.12,4407.62 3753.36,4456.87 3961.41,4456.87 4062.79,4558.24 4096.75,4558.24 4217.75,4437.24 4329.77,4437.24 v1(4359.77,4407.24) 4391.9,4407.24 4401.52,4397.62 4462.02,4397.62 4528.47,4464.07 4778.18,4464.07 4817.8,4424.45 v1(5321.77,4424.45)
  Bottom Layer w30: 50-1.7 3271.02,3275.71 3324.55,3329.24 C31.1 ; 50-1.6 3247.39,3325.71 C31.1@3297.39,3375.71 ; 50-1.5 C31.1@3297.39,3375.71 ; C32.1 3400.5,3402.87 C31.1 ; C31.1@3297.39,3375.71 C31.1
pads on no net: 50-1.8 50-2.8 7333.8 EC.5 EC.6 LQ_KXXP144-SYSVG.1 LQ_KXXP144-SYSVG.2 LQ_KXXP144-SYSVG.6 LQ_KXXP144-SYSVG.11 LQ_KXXP144-SYSVG.12 LQ_KXXP144-SYSVG.13 LQ_KXXP144-SYSVG.14 LQ_KXXP144-SYSVG.15 LQ_KXXP144-SYSVG.16 LQ_KXXP144-SYSVG.17 LQ_KXXP144-SYSVG.18 LQ_KXXP144-SYSVG.19 LQ_KXXP144-SYSVG.20 LQ_KXXP144-SYSVG.21 LQ_KXXP144-SYSVG.22 LQ_KXXP144-SYSVG.23 LQ_KXXP144-SYSVG.24 LQ_KXXP144-SYSVG.25 LQ_KXXP144-SYSVG.26 LQ_KXXP144-SYSVG.27 LQ_KXXP144-SYSVG.28 LQ_KXXP144-SYSVG.29 LQ_KXXP144-SYSVG.30 LQ_KXXP144-SYSVG.31 LQ_KXXP144-SYSVG.32 LQ_KXXP144-SYSVG.33 LQ_KXXP144-SYSVG.34 LQ_KXXP144-SYSVG.35 LQ_KXXP144-SYSVG.36 LQ_KXXP144-SYSVG.37 LQ_KXXP144-SYSVG.38 LQ_KXXP144-SYSVG.39 LQ_KXXP144-SYSVG.40 LQ_KXXP144-SYSVG.42 LQ_KXXP144-SYSVG.44 LQ_KXXP144-SYSVG.46 LQ_KXXP144-SYSVG.47 LQ_KXXP144-SYSVG.48 LQ_KXXP144-SYSVG.49 LQ_KXXP144-SYSVG.50 LQ_KXXP144-SYSVG.51 LQ_KXXP144-SYSVG.52 LQ_KXXP144-SYSVG.53 LQ_KXXP144-SYSVG.54 LQ_KXXP144-SYSVG.55 LQ_KXXP144-SYSVG.56 LQ_KXXP144-SYSVG.57 LQ_KXXP144-SYSVG.58 LQ_KXXP144-SYSVG.59 LQ_KXXP144-SYSVG.60 LQ_KXXP144-SYSVG.61 LQ_KXXP144-SYSVG.62 LQ_KXXP144-SYSVG.63 LQ_KXXP144-SYSVG.64 LQ_KXXP144-SYSVG.65 LQ_KXXP144-SYSVG.66 LQ_KXXP144-SYSVG.67 LQ_KXXP144-SYSVG.68 LQ_KXXP144-SYSVG.69 LQ_KXXP144-SYSVG.70 LQ_KXXP144-SYSVG.71 LQ_KXXP144-SYSVG.72 LQ_KXXP144-SYSVG.77 LQ_KXXP144-SYSVG.78 LQ_KXXP144-SYSVG.81 LQ_KXXP144-SYSVG.82 LQ_KXXP144-SYSVG.85 LQ_KXXP144-SYSVG.86 LQ_KXXP144-SYSVG.87 LQ_KXXP144-SYSVG.88 LQ_KXXP144-SYSVG.90 LQ_KXXP144-SYSVG.91 LQ_KXXP144-SYSVG.95 LQ_KXXP144-SYSVG.96 LQ_KXXP144-SYSVG.97 LQ_KXXP144-SYSVG.98 LQ_KXXP144-SYSVG.99 LQ_KXXP144-SYSVG.101 LQ_KXXP144-SYSVG.102 LQ_KXXP144-SYSVG.103 LQ_KXXP144-SYSVG.104 LQ_KXXP144-SYSVG.105 LQ_KXXP144-SYSVG.106 LQ_KXXP144-SYSVG.107 LQ_KXXP144-SYSVG.108 LQ_KXXP144-SYSVG.109 LQ_KXXP144-SYSVG.110 LQ_KXXP144-SYSVG.111 LQ_KXXP144-SYSVG.112 LQ_KXXP144-SYSVG.113 LQ_KXXP144-SYSVG.114 LQ_KXXP144-SYSVG.115 LQ_KXXP144-SYSVG.116 LQ_KXXP144-SYSVG.117 LQ_KXXP144-SYSVG.118 LQ_KXXP144-SYSVG.119 LQ_KXXP144-SYSVG.121 LQ_KXXP144-SYSVG.122 LQ_KXXP144-SYSVG.123 LQ_KXXP144-SYSVG.124 S1.3
copper on no net:
  other v2: 4437.76,2493.62

## Polygon pours and split planes (outlines as drawn)
GND on Top Layer "Bottom Layer-No Net" (solid, remove dead copper, pour order 6): 2730,4950 2710,4950 2570,4810 2570,1180 2590,1180 2750,1020 5550,1020 5570,1020 5720,1170 5720,4790 5550,4960 2730,4960
GND on Bottom Layer "Bottom Layer-No Net" (solid, remove dead copper, pour order 8): 2730,4950 2720,4950 2570,4800 2580,4790 2580,1170 2600,1170 2750,1020 5560,1020 5570,1020 5710,1160 5710,4790 5710,4800 5560,4950 2730,4950

## Keep-outs
Keep-Out Layer:
  the board outline again, w10

## Other copper
Top Layer:
  text "青海大学" at 4171.77,1507.24 h120
  text "2019" at 4281.77,1347.24 h120
  text "光年之外" at 4161.77,1207.24 h120

## Silkscreen, mask and mechanical layers (free items; w line width, h text height)
Top Overlay:
  text "+" at 5530,3360 h30
  text "DI" at 5520,3260 h30
  text "CLK" at 5520,3150 h30
  text "-" at 5520,3060 h30
  text "DO" at 5520,2960 h30
  text "CS" at 5520,2850 h30
  text "+" at 2720,2670 h30
  text "-" at 2990,2670 h30
  text "K3" at 5500,2380 h30
  text "-" at 2730,2310 h30
  text "+" at 2730,2210 h30
  text "-" at 3190,2210 h30
  text "S" at 2730,2120 h30
  text "K2" at 5500,2120 h30
  text "ECHO" at 3110,2110 h30
  text "P1" at 2710,2020 h30
  text "TRIG" at 3110,2010 h30
  text "P2" at 2710,1910 h30
  text "+" at 3180,1910 h30
  text "K1" at 5500,1870 h30
  text "ON" at 3370,1580 h30
  text "+" at 2750,1340 h30
  text "-" at 2760,1130 h30
  text "+" at 5100,1110 h30 r270
  text "-" at 4890,1090 h30
  text "STOP" at 4960,1090 h30

## Text inside footprints (layer, text, board x,y; h text height)
EC: Top Overlay "6" at 2842.01,2950.47 h30 r90; Top Overlay "5" at 2942.01,2950.47 h30 r90; Top Overlay "2" at 2842.01,2590.47 h30 r90; Top Overlay "1" at 2942.01,2610.47 h30 r90
LQ_KXXP144-SYSVG: Top Overlay "SPI" at 4995.94,2152.91 h30 r90; Top Overlay "ADC*6" at 3875.94,2472.91 h30 r90; Top Overlay "EC" at 3835.94,2272.91 h30; Top Overlay "STOP" at 4935.94,1592.91 h30; Top Overlay "STEER" at 3935.94,1872.91 h30; Top Overlay "PWM" at 3835.94,2012.91 h30; Top Overlay "KEY" at 3835.94,2072.91 h30